# Altium PCB PROC054D_MMWCAS_RF_EVM_ASCII.PcbDoc (part 1 of 13)
Units mil, origin at the board's own origin, x right, y up, seen from the top; angles counter-clockwise.
Board outline 6299.21 x 5370.07 mil, 8 copper layers (L1 TOP, L2 GND, L3 SIGNAL 1, L4 GND, L5 SIGNAL 2, L6 SIGNAL 3, L7 GND, L8 BOTTOM), stack 53.5 mil thick; 775 components, 552 nets, 2648 pads, 7845 vias.
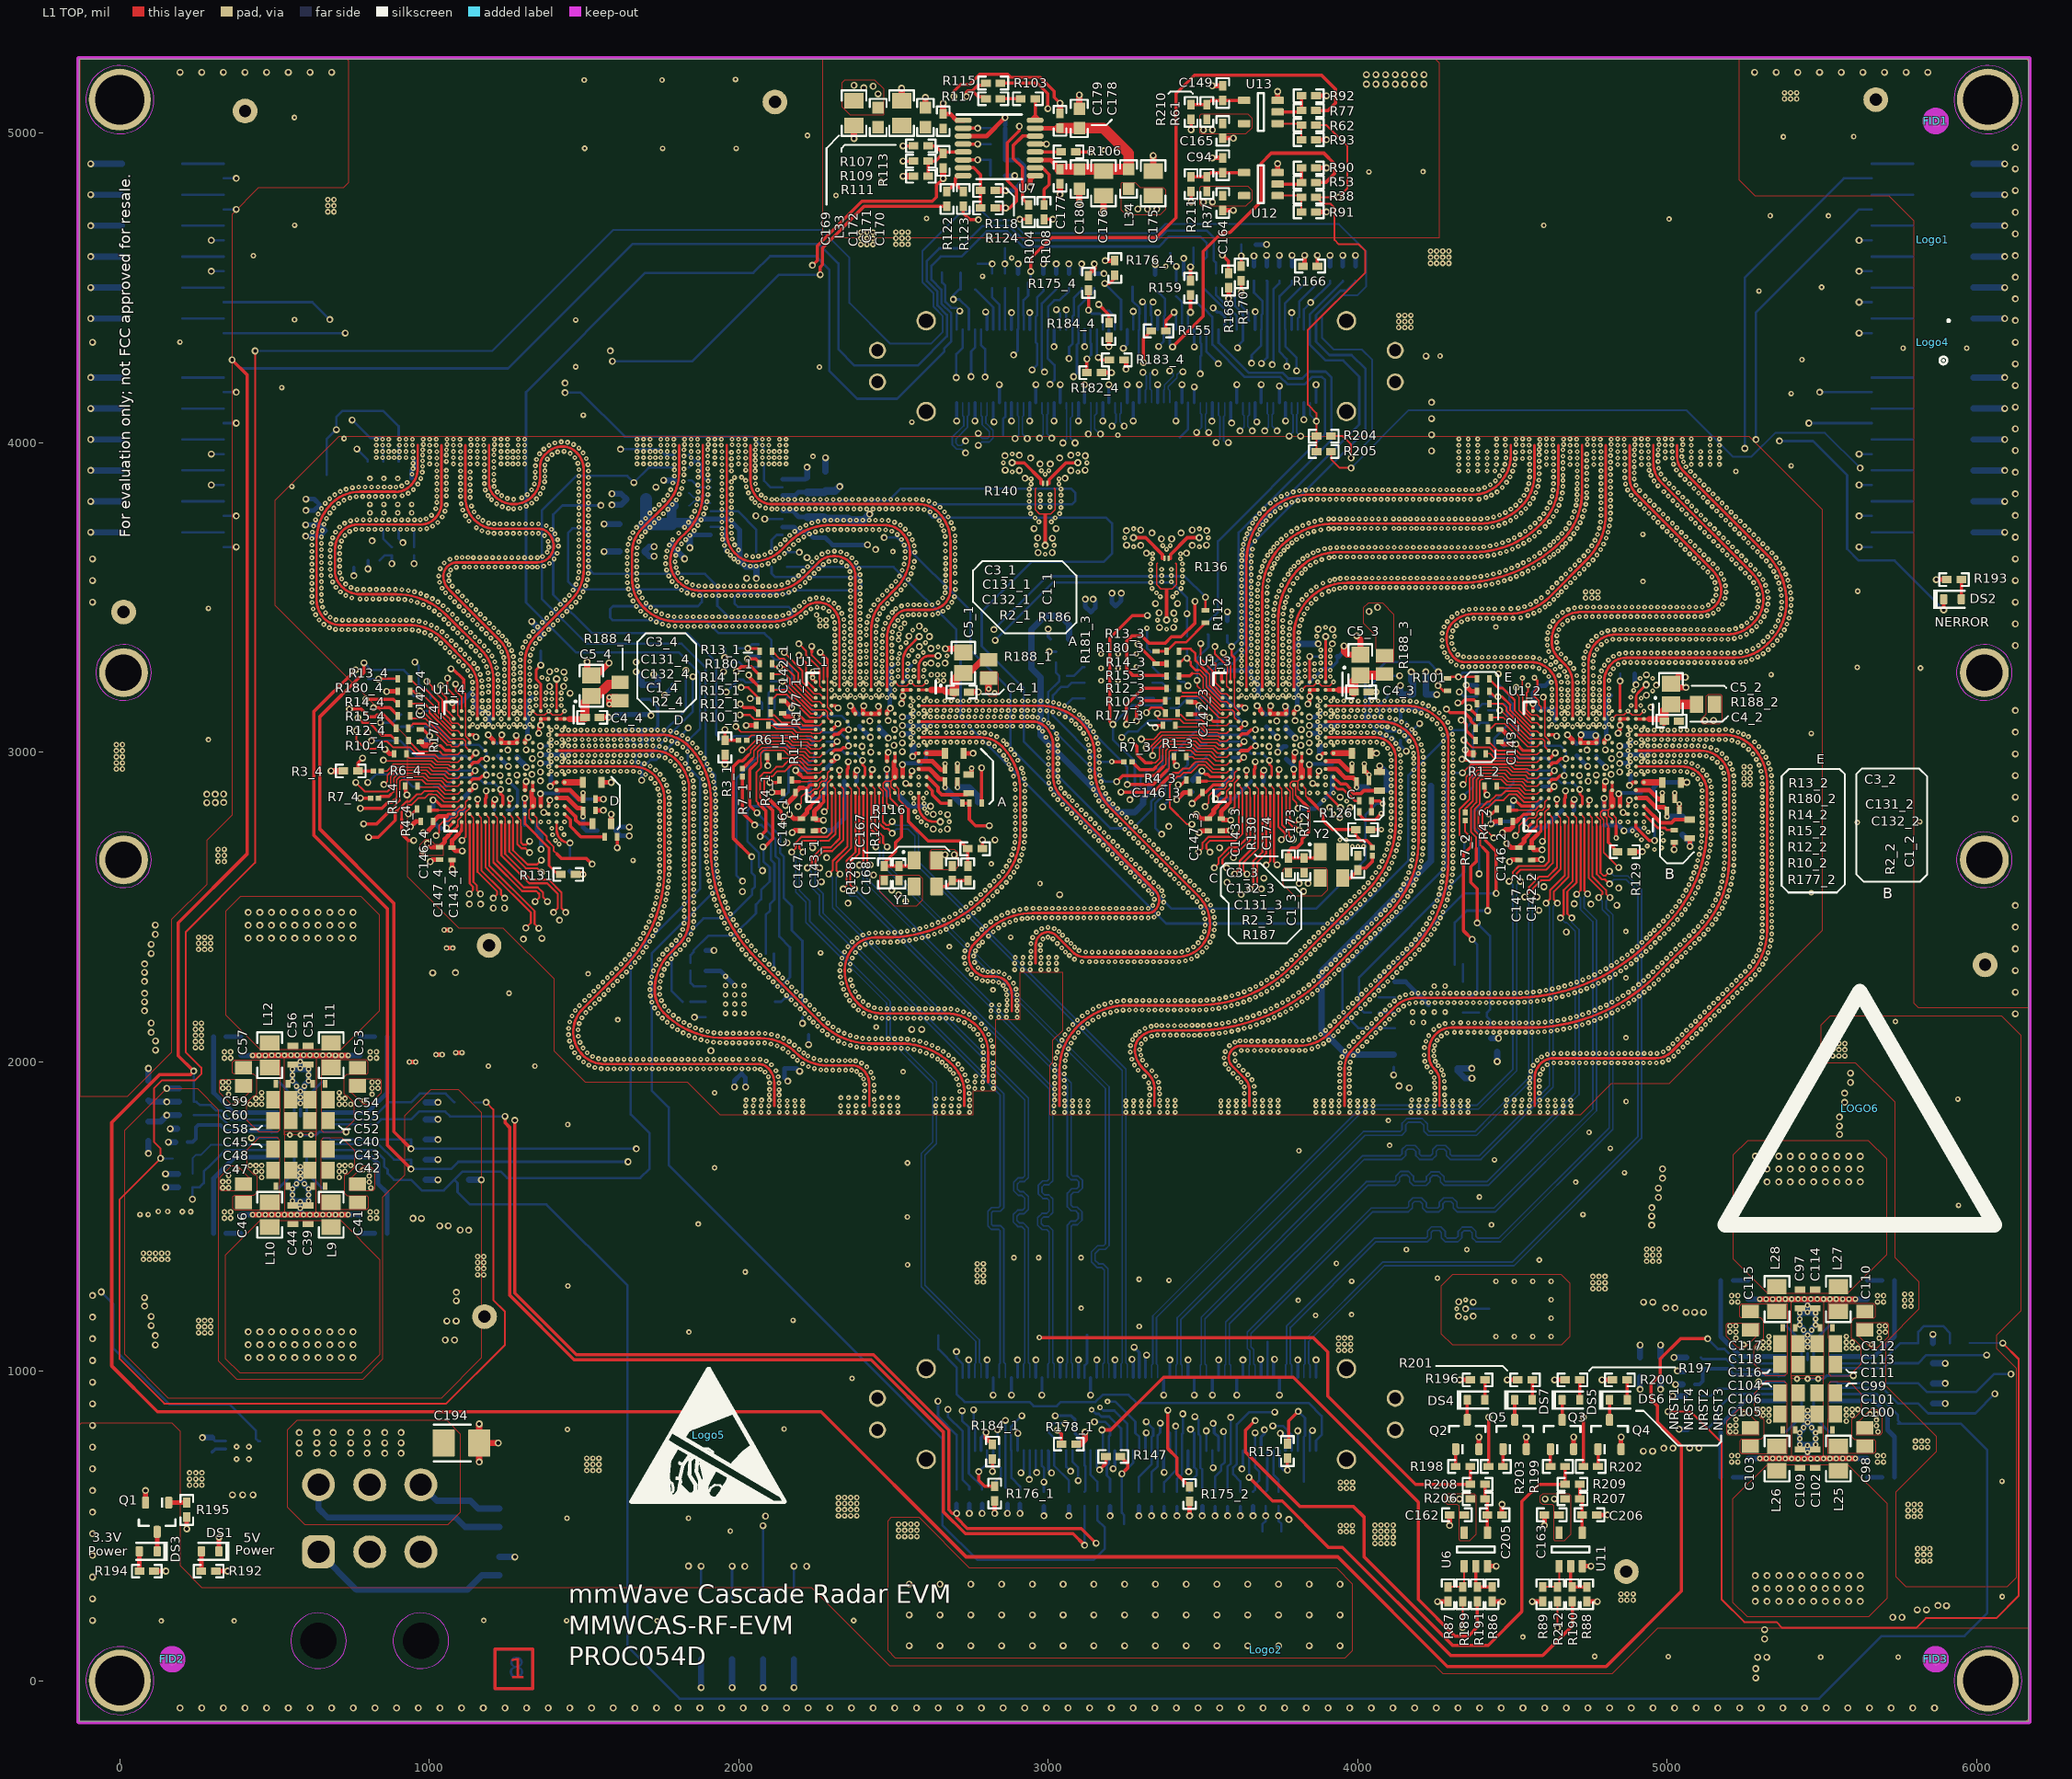
[diagram p0: L1 TOP view]
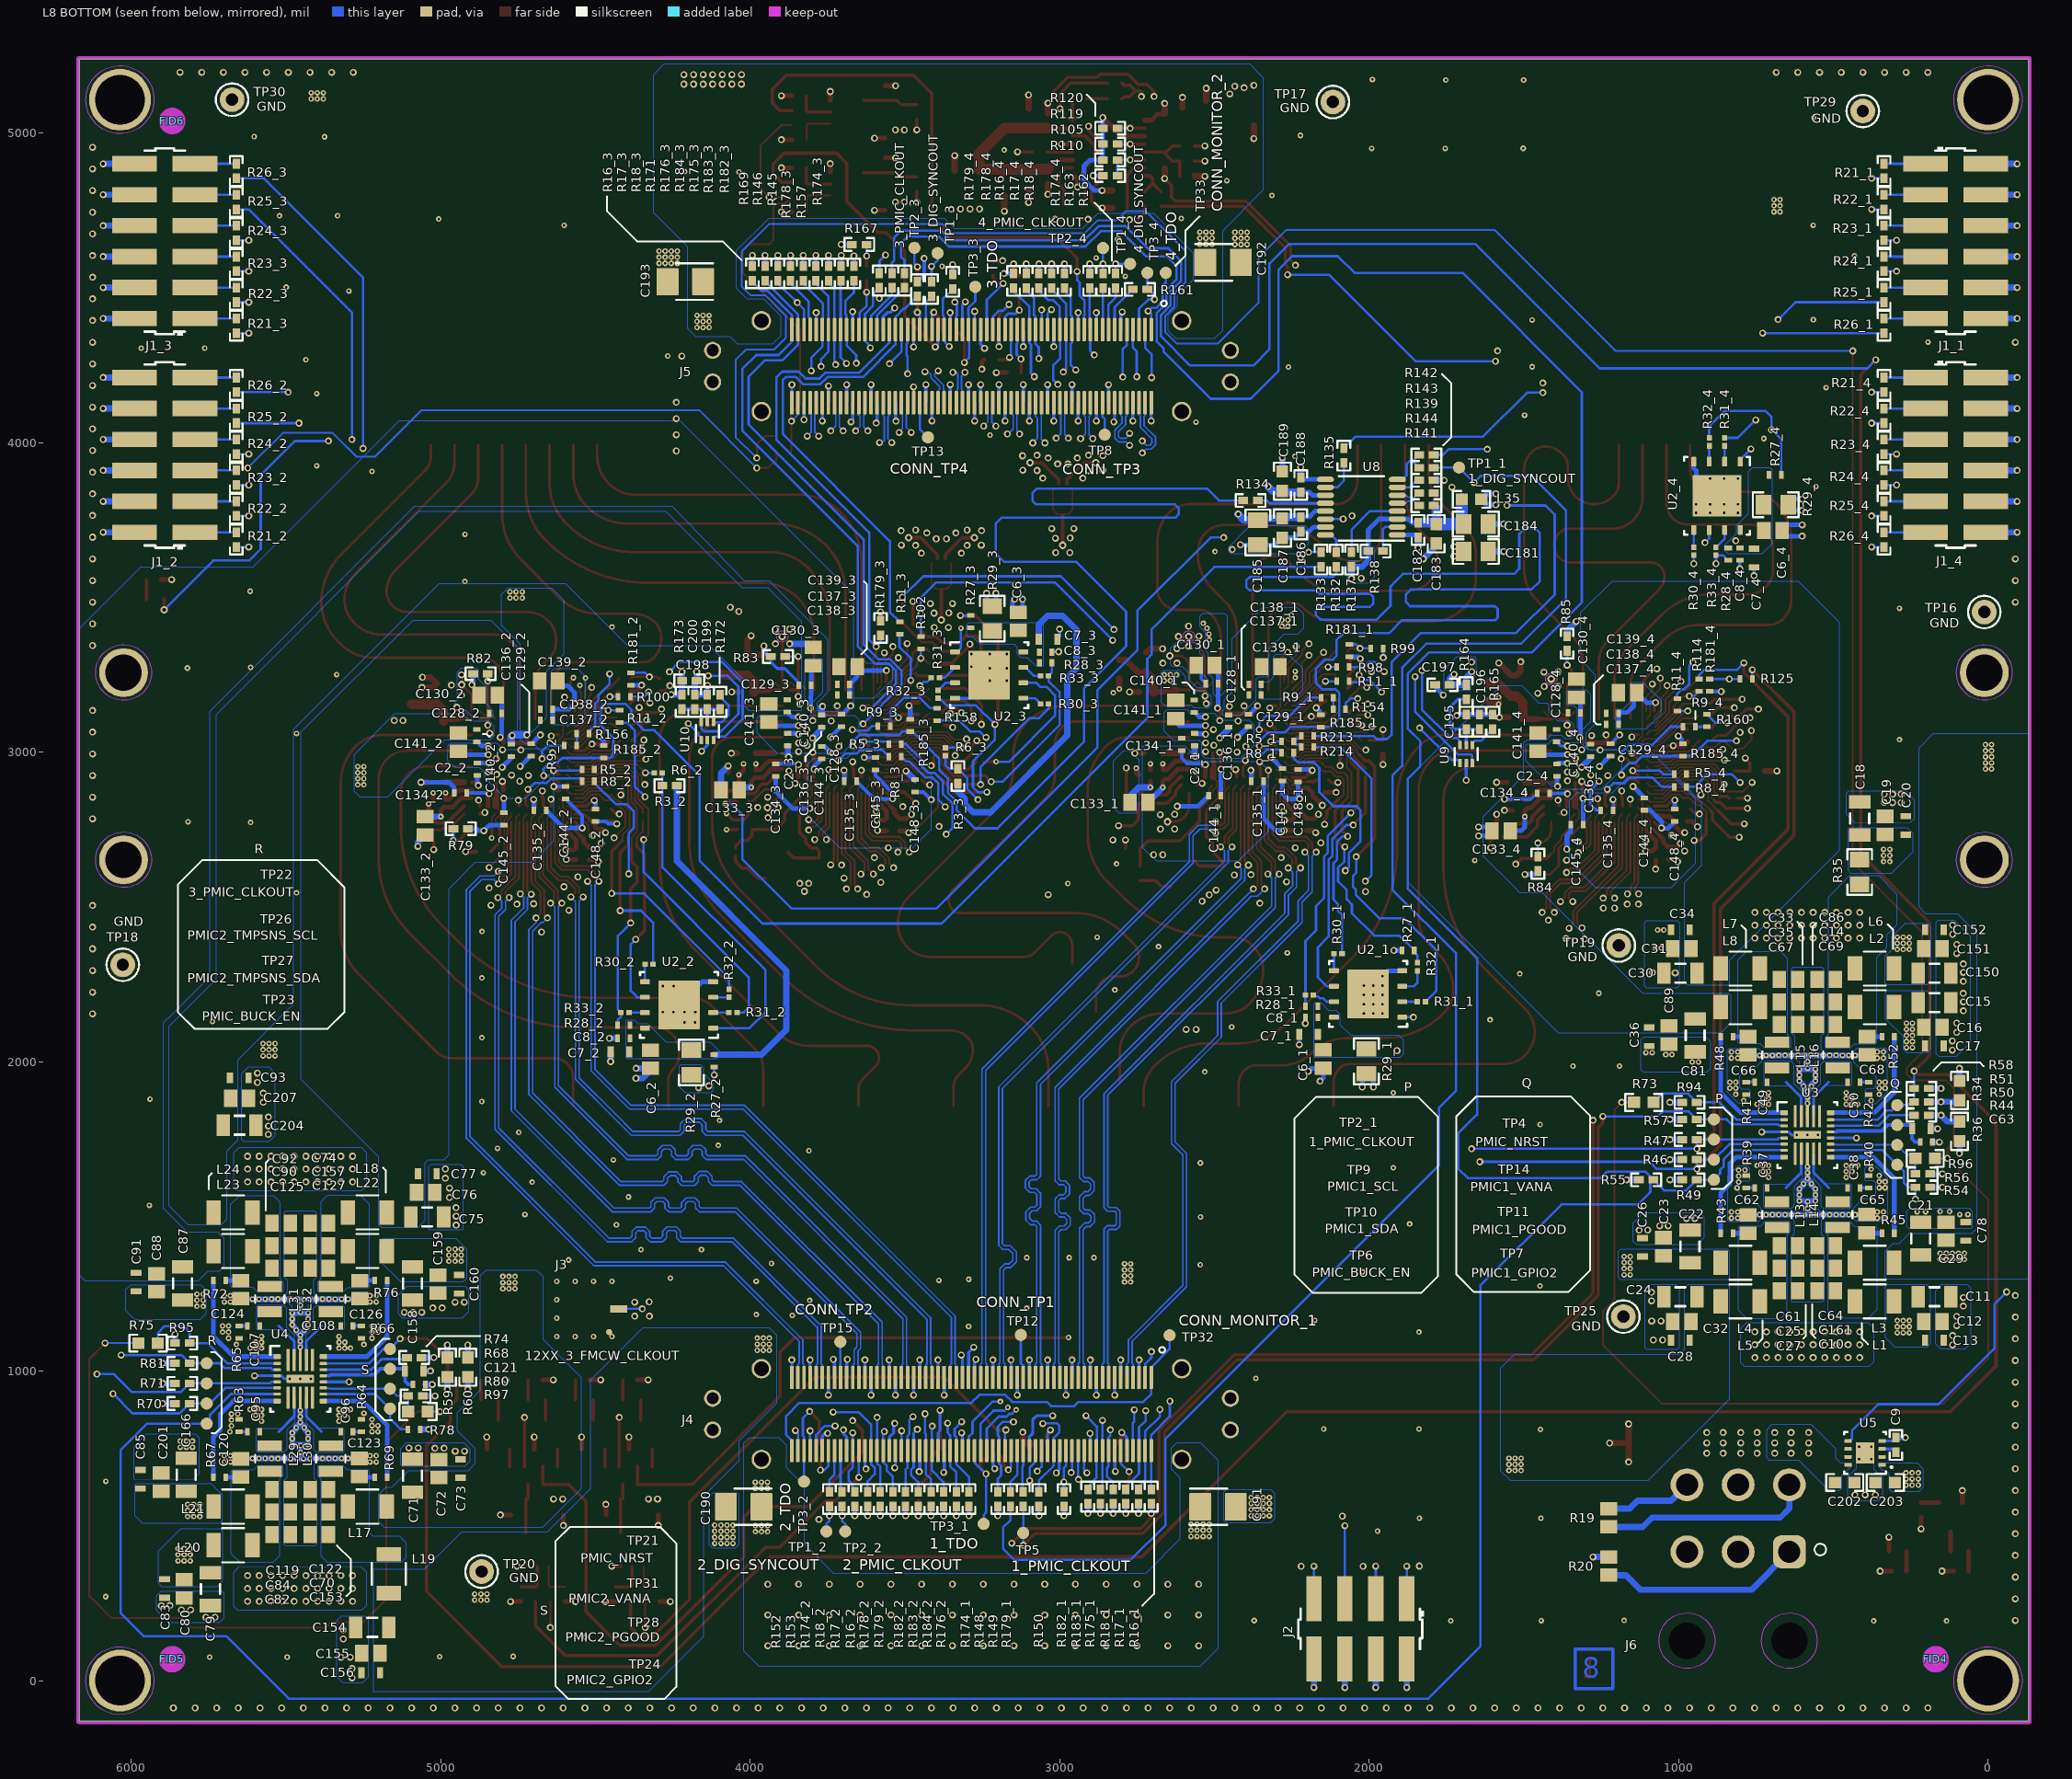
[diagram p1: L8 BOTTOM view, seen from below]
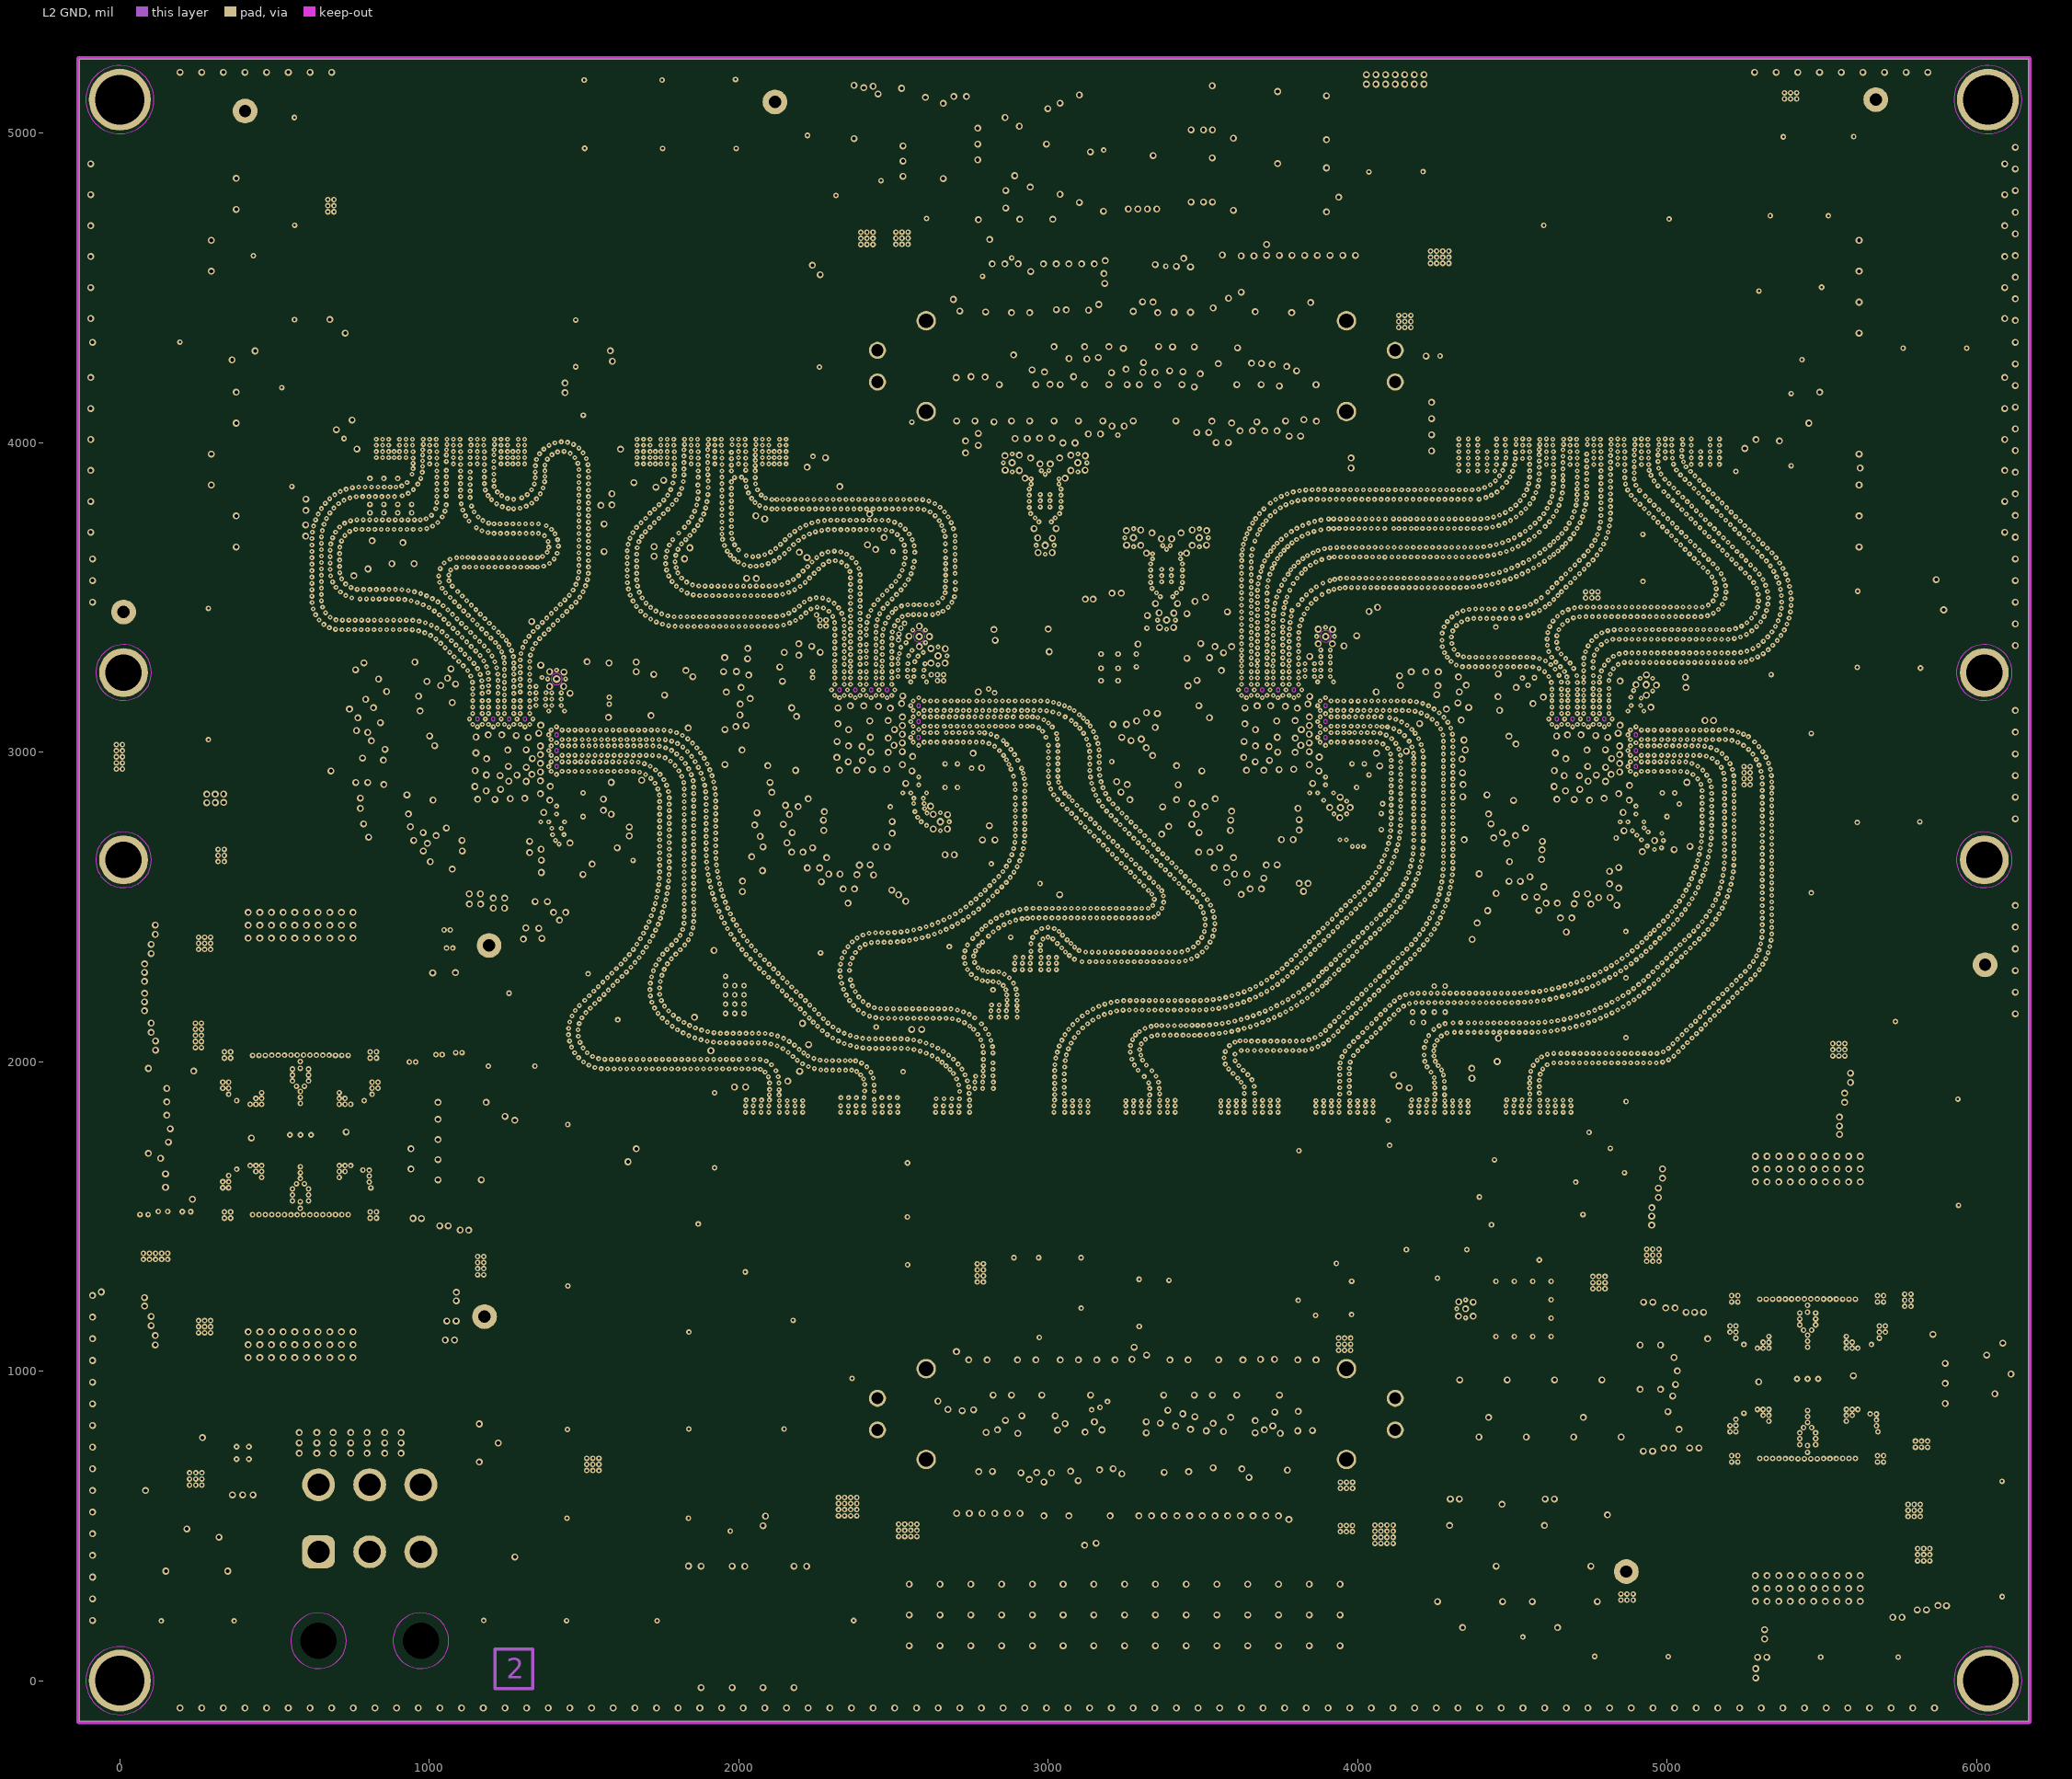
[diagram p2: L2 GND]
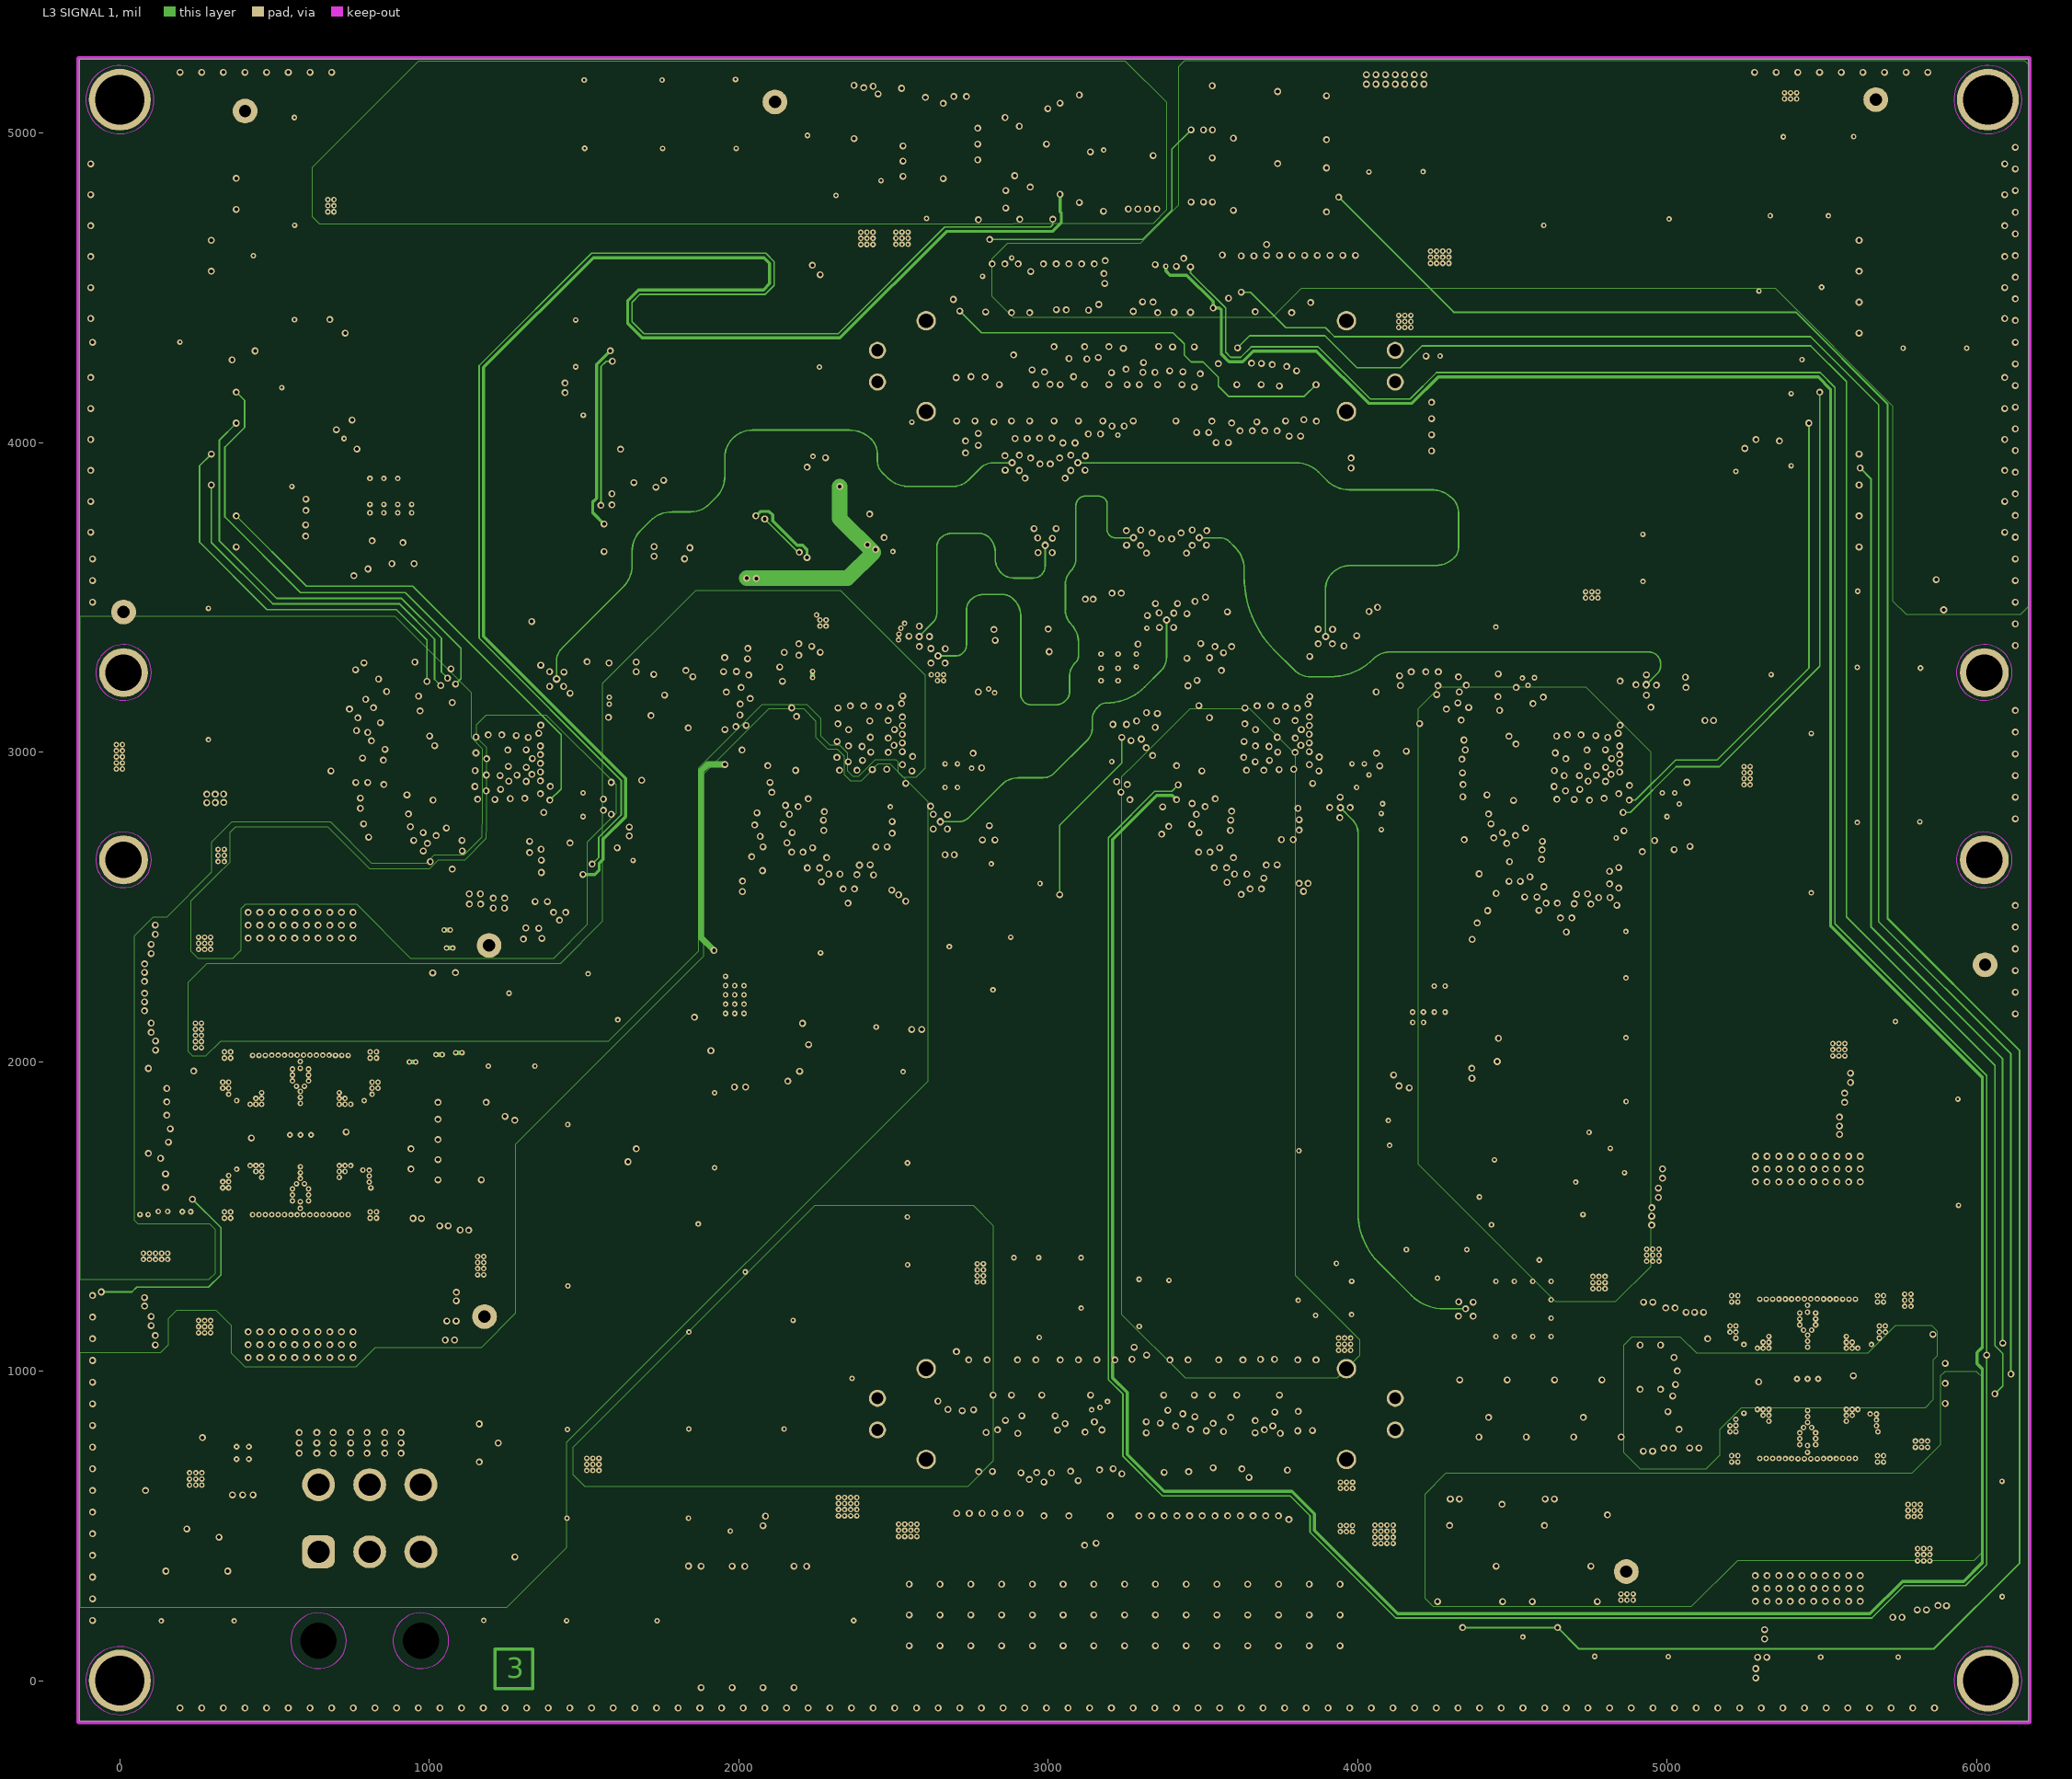
[diagram p3: L3 SIGNAL 1]